# KiCad board panel.kicad_pcb
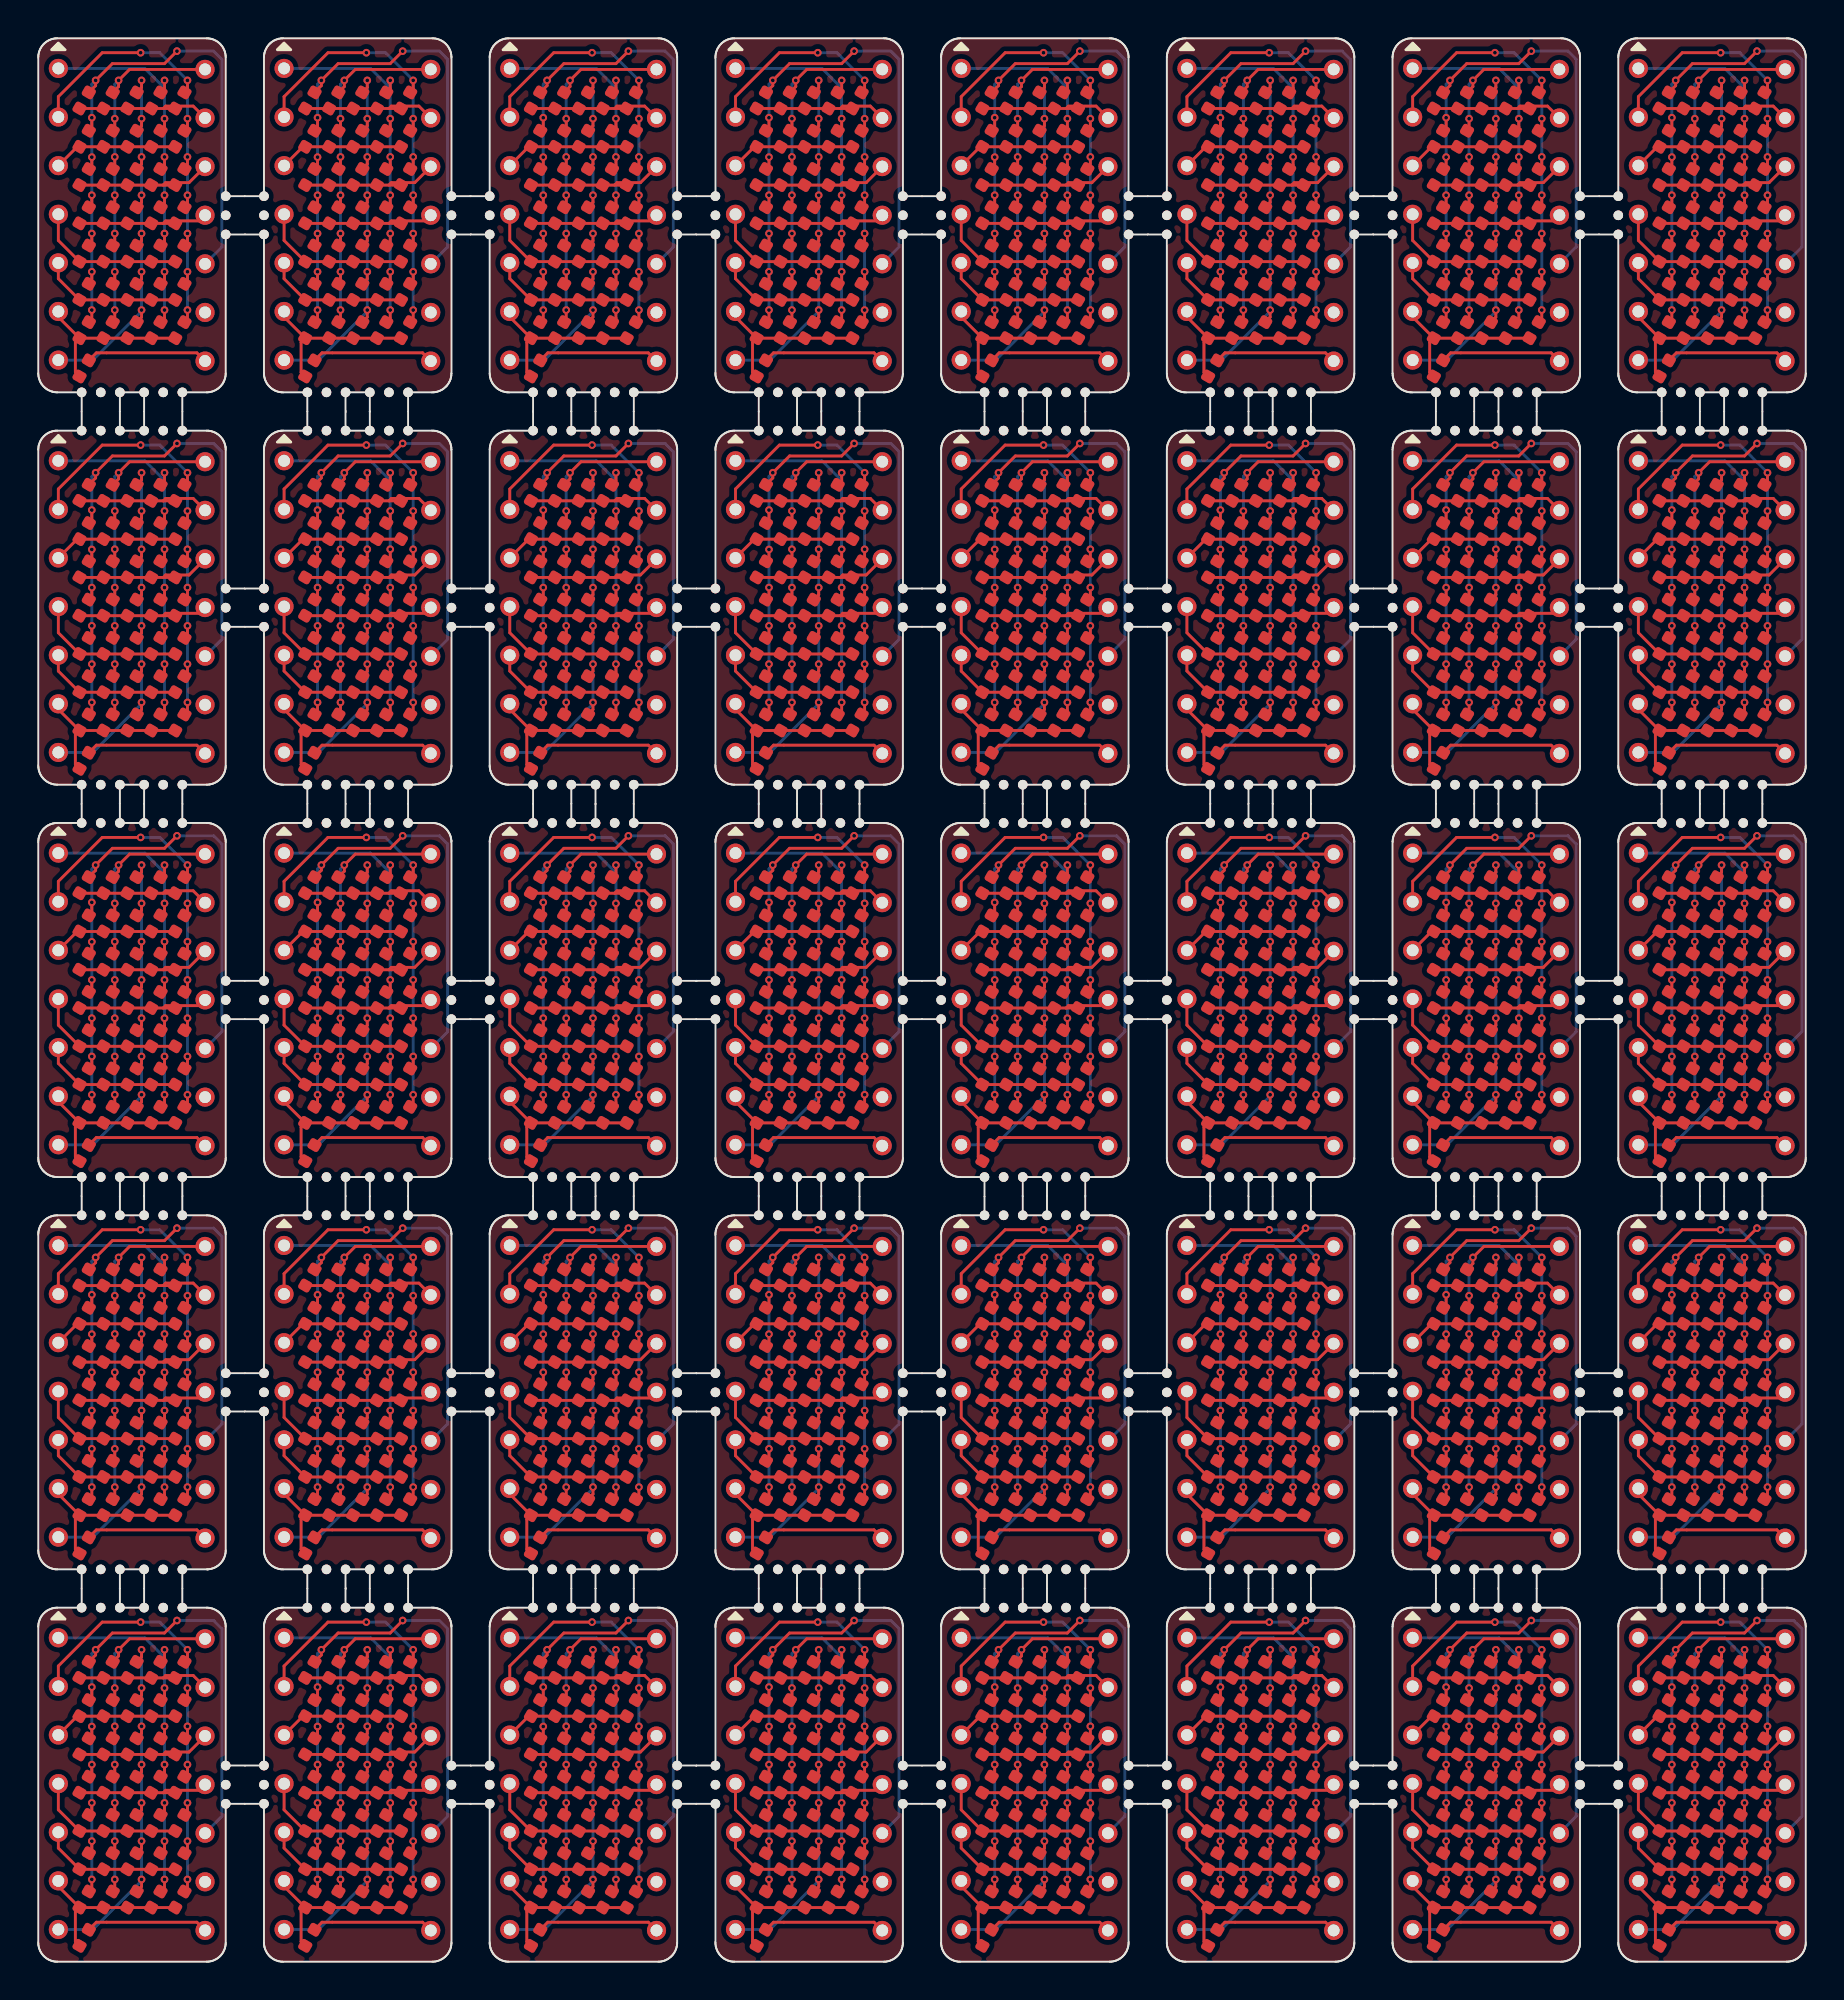
[diagram p0: board, top side]
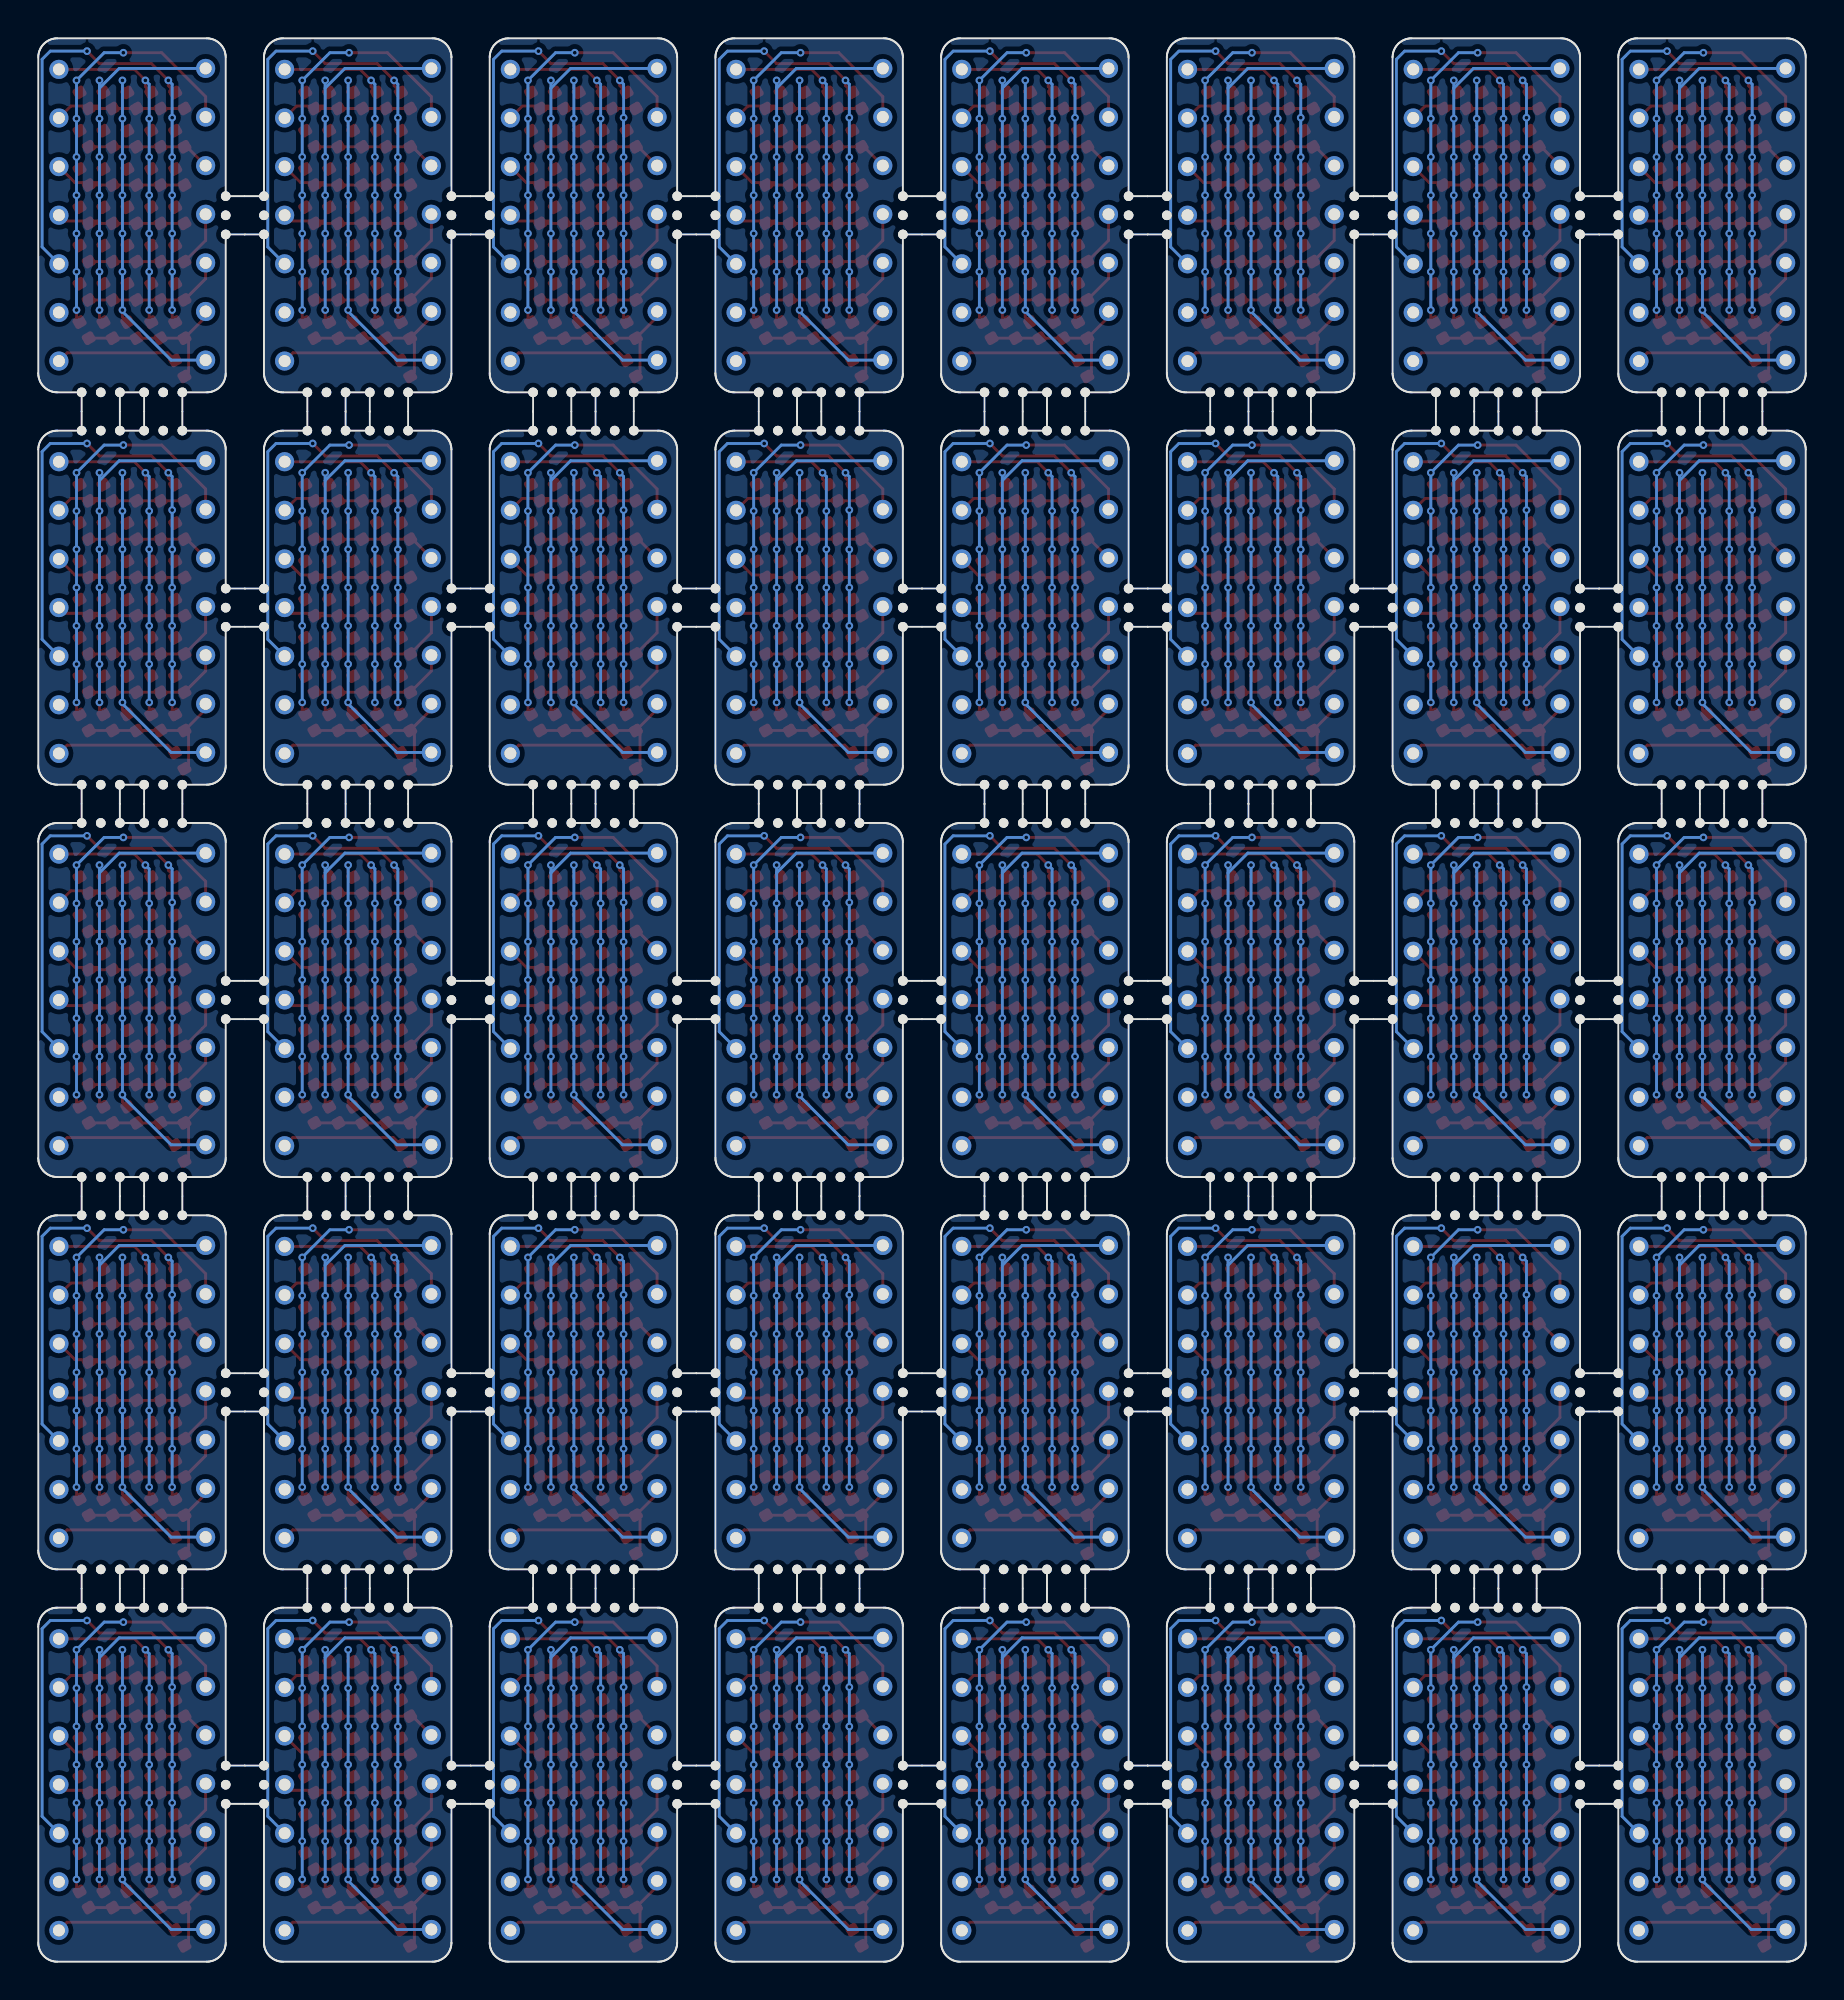
[diagram p1: board, bottom side, seen from below]

Outline 92.4 x 100.5 mm; copper layers: Top, Bottom. Coordinates in mm from the lower left corner of the outline.

## Placement (name value [footprint] x y rotation side)
D1  LED  [LED_0402_1005Metric]  49.6 76.75 60 top
D1#2  LED  [LED_0402_1005Metric]  61.4 15.25 60 top
D1#3  LED  [LED_0402_1005Metric]  14.2 15.25 60 top
D1#4  LED  [LED_0402_1005Metric]  26 97.25 60 top
D1#5  LED  [LED_0402_1005Metric]  26 35.75 60 top
D1#6  LED  [LED_0402_1005Metric]  2.4 56.25 60 top
D1#7  LED  [LED_0402_1005Metric]  61.4 56.25 60 top
D1#8  LED  [LED_0402_1005Metric]  26 56.25 60 top
D1#9  LED  [LED_0402_1005Metric]  61.4 76.75 60 top
D1#10  LED  [LED_0402_1005Metric]  49.6 97.25 60 top
D1#11  LED  [LED_0402_1005Metric]  2.4 35.75 60 top
D1#12  LED  [LED_0402_1005Metric]  73.2 97.25 60 top
D1#13  LED  [LED_0402_1005Metric]  14.2 35.75 60 top
D1#14  LED  [LED_0402_1005Metric]  61.4 97.25 60 top
D1#15  LED  [LED_0402_1005Metric]  37.8 97.25 60 top
D1#16  LED  [LED_0402_1005Metric]  14.2 56.25 60 top
D1#17  LED  [LED_0402_1005Metric]  85 97.25 60 top
D1#18  LED  [LED_0402_1005Metric]  85 35.75 60 top
D1#19  LED  [LED_0402_1005Metric]  85 15.25 60 top
D1#20  LED  [LED_0402_1005Metric]  37.8 15.25 60 top
D1#21  LED  [LED_0402_1005Metric]  37.8 35.75 60 top
D1#22  LED  [LED_0402_1005Metric]  73.2 35.75 60 top
D1#23  LED  [LED_0402_1005Metric]  2.4 97.25 60 top
D1#24  LED  [LED_0402_1005Metric]  49.6 35.75 60 top
D1#25  LED  [LED_0402_1005Metric]  73.2 15.25 60 top
D1#26  LED  [LED_0402_1005Metric]  61.4 35.75 60 top
D1#27  LED  [LED_0402_1005Metric]  37.8 56.25 60 top
D1#28  LED  [LED_0402_1005Metric]  26 15.25 60 top
D1#29  LED  [LED_0402_1005Metric]  85 76.75 60 top
D1#30  LED  [LED_0402_1005Metric]  2.4 76.75 60 top
D1#31  LED  [LED_0402_1005Metric]  26 76.75 60 top
D1#32  LED  [LED_0402_1005Metric]  14.2 76.75 60 top
D1#33  LED  [LED_0402_1005Metric]  73.2 56.25 60 top
D1#34  LED  [LED_0402_1005Metric]  49.6 15.25 60 top
D1#35  LED  [LED_0402_1005Metric]  14.2 97.25 60 top
D1#36  LED  [LED_0402_1005Metric]  73.2 76.75 60 top
D1#37  LED  [LED_0402_1005Metric]  2.4 15.25 60 top
D1#38  LED  [LED_0402_1005Metric]  49.6 56.25 60 top
D1#39  LED  [LED_0402_1005Metric]  85 56.25 60 top
D1#40  LED  [LED_0402_1005Metric]  37.8 76.75 60 top
D2  LED  [LED_0402_1005Metric]  2.4 33.75 60 top
D2#2  LED  [LED_0402_1005Metric]  37.8 54.25 60 top
D2#3  LED  [LED_0402_1005Metric]  2.4 74.75 60 top
D2#4  LED  [LED_0402_1005Metric]  49.6 33.75 60 top
D2#5  LED  [LED_0402_1005Metric]  73.2 54.25 60 top
D2#6  LED  [LED_0402_1005Metric]  37.8 74.75 60 top
D2#7  LED  [LED_0402_1005Metric]  85 54.25 60 top
D2#8  LED  [LED_0402_1005Metric]  14.2 33.75 60 top
D2#9  LED  [LED_0402_1005Metric]  26 54.25 60 top
D2#10  LED  [LED_0402_1005Metric]  85 13.25 60 top
D2#11  LED  [LED_0402_1005Metric]  37.8 13.25 60 top
D2#12  LED  [LED_0402_1005Metric]  2.4 13.25 60 top
D2#13  LED  [LED_0402_1005Metric]  61.4 33.75 60 top
D2#14  LED  [LED_0402_1005Metric]  73.2 33.75 60 top
D2#15  LED  [LED_0402_1005Metric]  14.2 13.25 60 top
D2#16  LED  [LED_0402_1005Metric]  49.6 13.25 60 top
D2#17  LED  [LED_0402_1005Metric]  14.2 74.75 60 top
D2#18  LED  [LED_0402_1005Metric]  26 95.25 60 top
D2#19  LED  [LED_0402_1005Metric]  61.4 95.25 60 top
D2#20  LED  [LED_0402_1005Metric]  14.2 95.25 60 top
D2#21  LED  [LED_0402_1005Metric]  85 74.75 60 top
D2#22  LED  [LED_0402_1005Metric]  2.4 54.25 60 top
D2#23  LED  [LED_0402_1005Metric]  73.2 13.25 60 top
D2#24  LED  [LED_0402_1005Metric]  61.4 13.25 60 top
D2#25  LED  [LED_0402_1005Metric]  49.6 54.25 60 top
D2#26  LED  [LED_0402_1005Metric]  2.4 95.25 60 top
D2#27  LED  [LED_0402_1005Metric]  61.4 54.25 60 top
D2#28  LED  [LED_0402_1005Metric]  85 33.75 60 top
D2#29  LED  [LED_0402_1005Metric]  49.6 74.75 60 top
D2#30  LED  [LED_0402_1005Metric]  73.2 74.75 60 top
D2#31  LED  [LED_0402_1005Metric]  26 13.25 60 top
D2#32  LED  [LED_0402_1005Metric]  49.6 95.25 60 top
D2#33  LED  [LED_0402_1005Metric]  26 33.75 60 top
D2#34  LED  [LED_0402_1005Metric]  61.4 74.75 60 top
D2#35  LED  [LED_0402_1005Metric]  37.8 95.25 60 top
D2#36  LED  [LED_0402_1005Metric]  14.2 54.25 60 top
D2#37  LED  [LED_0402_1005Metric]  37.8 33.75 60 top
D2#38  LED  [LED_0402_1005Metric]  73.2 95.25 60 top
D2#39  LED  [LED_0402_1005Metric]  85 95.25 60 top
D2#40  LED  [LED_0402_1005Metric]  26 74.75 60 top
D3  LED  [LED_0402_1005Metric]  73.2 93.25 60 top
D3#2  LED  [LED_0402_1005Metric]  26 93.25 60 top
D3#3  LED  [LED_0402_1005Metric]  26 31.75 60 top
D3#4  LED  [LED_0402_1005Metric]  73.2 11.25 60 top
D3#5  LED  [LED_0402_1005Metric]  61.4 31.75 60 top
D3#6  LED  [LED_0402_1005Metric]  37.8 52.25 60 top
D3#7  LED  [LED_0402_1005Metric]  26 52.25 60 top
D3#8  LED  [LED_0402_1005Metric]  37.8 93.25 60 top
D3#9  LED  [LED_0402_1005Metric]  2.4 52.25 60 top
D3#10  LED  [LED_0402_1005Metric]  49.6 31.75 60 top
D3#11  LED  [LED_0402_1005Metric]  85 31.75 60 top
D3#12  LED  [LED_0402_1005Metric]  61.4 72.75 60 top
D3#13  LED  [LED_0402_1005Metric]  85 11.25 60 top
D3#14  LED  [LED_0402_1005Metric]  37.8 31.75 60 top
D3#15  LED  [LED_0402_1005Metric]  2.4 72.75 60 top
D3#16  LED  [LED_0402_1005Metric]  85 72.75 60 top
D3#17  LED  [LED_0402_1005Metric]  61.4 93.25 60 top
D3#18  LED  [LED_0402_1005Metric]  49.6 93.25 60 top
D3#19  LED  [LED_0402_1005Metric]  37.8 72.75 60 top
D3#20  LED  [LED_0402_1005Metric]  14.2 31.75 60 top
D3#21  LED  [LED_0402_1005Metric]  49.6 52.25 60 top
D3#22  LED  [LED_0402_1005Metric]  26 72.75 60 top
D3#23  LED  [LED_0402_1005Metric]  61.4 52.25 60 top
D3#24  LED  [LED_0402_1005Metric]  26 11.25 60 top
D3#25  LED  [LED_0402_1005Metric]  49.6 72.75 60 top
D3#26  LED  [LED_0402_1005Metric]  2.4 93.25 60 top
D3#27  LED  [LED_0402_1005Metric]  73.2 72.75 60 top
D3#28  LED  [LED_0402_1005Metric]  73.2 52.25 60 top
D3#29  LED  [LED_0402_1005Metric]  14.2 93.25 60 top
D3#30  LED  [LED_0402_1005Metric]  2.4 11.25 60 top
D3#31  LED  [LED_0402_1005Metric]  14.2 52.25 60 top
D3#32  LED  [LED_0402_1005Metric]  61.4 11.25 60 top
D3#33  LED  [LED_0402_1005Metric]  73.2 31.75 60 top
D3#34  LED  [LED_0402_1005Metric]  14.2 11.25 60 top
D3#35  LED  [LED_0402_1005Metric]  37.8 11.25 60 top
D3#36  LED  [LED_0402_1005Metric]  2.4 31.75 60 top
D3#37  LED  [LED_0402_1005Metric]  85 52.25 60 top
D3#38  LED  [LED_0402_1005Metric]  85 93.25 60 top
D3#39  LED  [LED_0402_1005Metric]  49.6 11.25 60 top
D3#40  LED  [LED_0402_1005Metric]  14.2 72.75 60 top
D4  LED  [LED_0402_1005Metric]  14.2 9.25 60 top
D4#2  LED  [LED_0402_1005Metric]  49.6 9.25 60 top
D4#3  LED  [LED_0402_1005Metric]  2.4 70.75 60 top
D4#4  LED  [LED_0402_1005Metric]  49.6 29.75 60 top
D4#5  LED  [LED_0402_1005Metric]  73.2 91.25 60 top
D4#6  LED  [LED_0402_1005Metric]  2.4 91.25 60 top
D4#7  LED  [LED_0402_1005Metric]  73.2 9.25 60 top
D4#8  LED  [LED_0402_1005Metric]  2.4 9.25 60 top
D4#9  LED  [LED_0402_1005Metric]  37.8 50.25 60 top
D4#10  LED  [LED_0402_1005Metric]  49.6 91.25 60 top
D4#11  LED  [LED_0402_1005Metric]  2.4 50.25 60 top
D4#12  LED  [LED_0402_1005Metric]  26 50.25 60 top
D4#13  LED  [LED_0402_1005Metric]  14.2 91.25 60 top
D4#14  LED  [LED_0402_1005Metric]  85 70.75 60 top
D4#15  LED  [LED_0402_1005Metric]  14.2 50.25 60 top
D4#16  LED  [LED_0402_1005Metric]  73.2 29.75 60 top
D4#17  LED  [LED_0402_1005Metric]  73.2 70.75 60 top
D4#18  LED  [LED_0402_1005Metric]  85 9.25 60 top
D4#19  LED  [LED_0402_1005Metric]  37.8 29.75 60 top
D4#20  LED  [LED_0402_1005Metric]  2.4 29.75 60 top
D4#21  LED  [LED_0402_1005Metric]  85 29.75 60 top
D4#22  LED  [LED_0402_1005Metric]  37.8 70.75 60 top
D4#23  LED  [LED_0402_1005Metric]  37.8 91.25 60 top
D4#24  LED  [LED_0402_1005Metric]  14.2 70.75 60 top
D4#25  LED  [LED_0402_1005Metric]  85 50.25 60 top
D4#26  LED  [LED_0402_1005Metric]  61.4 29.75 60 top
D4#27  LED  [LED_0402_1005Metric]  61.4 91.25 60 top
D4#28  LED  [LED_0402_1005Metric]  14.2 29.75 60 top
D4#29  LED  [LED_0402_1005Metric]  61.4 9.25 60 top
D4#30  LED  [LED_0402_1005Metric]  73.2 50.25 60 top
D4#31  LED  [LED_0402_1005Metric]  37.8 9.25 60 top
D4#32  LED  [LED_0402_1005Metric]  26 70.75 60 top
D4#33  LED  [LED_0402_1005Metric]  26 9.25 60 top
D4#34  LED  [LED_0402_1005Metric]  85 91.25 60 top
D4#35  LED  [LED_0402_1005Metric]  49.6 50.25 60 top
D4#36  LED  [LED_0402_1005Metric]  61.4 50.25 60 top
D4#37  LED  [LED_0402_1005Metric]  26 29.75 60 top
D4#38  LED  [LED_0402_1005Metric]  61.4 70.75 60 top
D4#39  LED  [LED_0402_1005Metric]  49.6 70.75 60 top
D4#40  LED  [LED_0402_1005Metric]  26 91.25 60 top
D5  LED  [LED_0402_1005Metric]  49.6 68.75 60 top
D5#2  LED  [LED_0402_1005Metric]  14.2 68.75 60 top
D5#3  LED  [LED_0402_1005Metric]  14.2 89.25 60 top
D5#4  LED  [LED_0402_1005Metric]  73.2 27.75 60 top
D5#5  LED  [LED_0402_1005Metric]  2.4 7.25 60 top
D5#6  LED  [LED_0402_1005Metric]  73.2 7.25 60 top
D5#7  LED  [LED_0402_1005Metric]  49.6 7.25 60 top
D5#8  LED  [LED_0402_1005Metric]  37.8 48.25 60 top
D5#9  LED  [LED_0402_1005Metric]  37.8 7.25 60 top
D5#10  LED  [LED_0402_1005Metric]  2.4 48.25 60 top
D5#11  LED  [LED_0402_1005Metric]  26 89.25 60 top
D5#12  LED  [LED_0402_1005Metric]  2.4 68.75 60 top
D5#13  LED  [LED_0402_1005Metric]  73.2 48.25 60 top
D5#14  LED  [LED_0402_1005Metric]  61.4 27.75 60 top
D5#15  LED  [LED_0402_1005Metric]  37.8 89.25 60 top
D5#16  LED  [LED_0402_1005Metric]  26 68.75 60 top
D5#17  LED  [LED_0402_1005Metric]  2.4 89.25 60 top
D5#18  LED  [LED_0402_1005Metric]  61.4 89.25 60 top
D5#19  LED  [LED_0402_1005Metric]  49.6 89.25 60 top
D5#20  LED  [LED_0402_1005Metric]  26 48.25 60 top
D5#21  LED  [LED_0402_1005Metric]  73.2 89.25 60 top
D5#22  LED  [LED_0402_1005Metric]  49.6 27.75 60 top
D5#23  LED  [LED_0402_1005Metric]  73.2 68.75 60 top
D5#24  LED  [LED_0402_1005Metric]  85 48.25 60 top
D5#25  LED  [LED_0402_1005Metric]  85 68.75 60 top
D5#26  LED  [LED_0402_1005Metric]  85 89.25 60 top
D5#27  LED  [LED_0402_1005Metric]  26 27.75 60 top
D5#28  LED  [LED_0402_1005Metric]  61.4 48.25 60 top
D5#29  LED  [LED_0402_1005Metric]  14.2 27.75 60 top
D5#30  LED  [LED_0402_1005Metric]  85 7.25 60 top
D5#31  LED  [LED_0402_1005Metric]  37.8 27.75 60 top
D5#32  LED  [LED_0402_1005Metric]  2.4 27.75 60 top
D5#33  LED  [LED_0402_1005Metric]  61.4 68.75 60 top
D5#34  LED  [LED_0402_1005Metric]  37.8 68.75 60 top
D5#35  LED  [LED_0402_1005Metric]  61.4 7.25 60 top
D5#36  LED  [LED_0402_1005Metric]  49.6 48.25 60 top
D5#37  LED  [LED_0402_1005Metric]  26 7.25 60 top
D5#38  LED  [LED_0402_1005Metric]  85 27.75 60 top
D5#39  LED  [LED_0402_1005Metric]  14.2 7.25 60 top
D5#40  LED  [LED_0402_1005Metric]  14.2 48.25 60 top
D6  LED  [LED_0402_1005Metric]  73.2 46.25 60 top
D6#2  LED  [LED_0402_1005Metric]  2.4 5.25 60 top
D6#3  LED  [LED_0402_1005Metric]  73.2 5.25 60 top
D6#4  LED  [LED_0402_1005Metric]  85 25.75 60 top
D6#5  LED  [LED_0402_1005Metric]  85 5.25 60 top
D6#6  LED  [LED_0402_1005Metric]  14.2 66.75 60 top
D6#7  LED  [LED_0402_1005Metric]  49.6 5.25 60 top
D6#8  LED  [LED_0402_1005Metric]  49.6 25.75 60 top
D6#9  LED  [LED_0402_1005Metric]  49.6 87.25 60 top
D6#10  LED  [LED_0402_1005Metric]  2.4 25.75 60 top
D6#11  LED  [LED_0402_1005Metric]  37.8 25.75 60 top
D6#12  LED  [LED_0402_1005Metric]  37.8 87.25 60 top
D6#13  LED  [LED_0402_1005Metric]  26 66.75 60 top
D6#14  LED  [LED_0402_1005Metric]  2.4 66.75 60 top
D6#15  LED  [LED_0402_1005Metric]  61.4 5.25 60 top
D6#16  LED  [LED_0402_1005Metric]  26 46.25 60 top
D6#17  LED  [LED_0402_1005Metric]  61.4 66.75 60 top
D6#18  LED  [LED_0402_1005Metric]  37.8 5.25 60 top
D6#19  LED  [LED_0402_1005Metric]  61.4 25.75 60 top
D6#20  LED  [LED_0402_1005Metric]  26 5.25 60 top
D6#21  LED  [LED_0402_1005Metric]  85 87.25 60 top
D6#22  LED  [LED_0402_1005Metric]  61.4 87.25 60 top
D6#23  LED  [LED_0402_1005Metric]  26 25.75 60 top
D6#24  LED  [LED_0402_1005Metric]  61.4 46.25 60 top
D6#25  LED  [LED_0402_1005Metric]  73.2 66.75 60 top
D6#26  LED  [LED_0402_1005Metric]  26 87.25 60 top
D6#27  LED  [LED_0402_1005Metric]  85 46.25 60 top
D6#28  LED  [LED_0402_1005Metric]  37.8 66.75 60 top
D6#29  LED  [LED_0402_1005Metric]  14.2 5.25 60 top
D6#30  LED  [LED_0402_1005Metric]  2.4 87.25 60 top
D6#31  LED  [LED_0402_1005Metric]  73.2 87.25 60 top
D6#32  LED  [LED_0402_1005Metric]  85 66.75 60 top
D6#33  LED  [LED_0402_1005Metric]  49.6 46.25 60 top
D6#34  LED  [LED_0402_1005Metric]  2.4 46.25 60 top
D6#35  LED  [LED_0402_1005Metric]  14.2 25.75 60 top
D6#36  LED  [LED_0402_1005Metric]  49.6 66.75 60 top
D6#37  LED  [LED_0402_1005Metric]  73.2 25.75 60 top
D6#38  LED  [LED_0402_1005Metric]  14.2 87.25 60 top
D6#39  LED  [LED_0402_1005Metric]  14.2 46.25 60 top
D6#40  LED  [LED_0402_1005Metric]  37.8 46.25 60 top
D7  LED  [LED_0402_1005Metric]  14.2 3.25 60 top
D7#2  LED  [LED_0402_1005Metric]  14.2 44.25 60 top
D7#3  LED  [LED_0402_1005Metric]  37.8 85.25 60 top
D7#4  LED  [LED_0402_1005Metric]  37.8 3.25 60 top
D7#5  LED  [LED_0402_1005Metric]  26 3.25 60 top
D7#6  LED  [LED_0402_1005Metric]  61.4 85.25 60 top
D7#7  LED  [LED_0402_1005Metric]  73.2 44.25 60 top
D7#8  LED  [LED_0402_1005Metric]  61.4 23.75 60 top
D7#9  LED  [LED_0402_1005Metric]  49.6 23.75 60 top
D7#10  LED  [LED_0402_1005Metric]  85 64.75 60 top
D7#11  LED  [LED_0402_1005Metric]  61.4 64.75 60 top
D7#12  LED  [LED_0402_1005Metric]  85 3.25 60 top
D7#13  LED  [LED_0402_1005Metric]  14.2 85.25 60 top
D7#14  LED  [LED_0402_1005Metric]  2.4 85.25 60 top
D7#15  LED  [LED_0402_1005Metric]  73.2 3.25 60 top
D7#16  LED  [LED_0402_1005Metric]  85 23.75 60 top
D7#17  LED  [LED_0402_1005Metric]  49.6 85.25 60 top
D7#18  LED  [LED_0402_1005Metric]  26 64.75 60 top
D7#19  LED  [LED_0402_1005Metric]  26 23.75 60 top
D7#20  LED  [LED_0402_1005Metric]  73.2 85.25 60 top
D7#21  LED  [LED_0402_1005Metric]  14.2 64.75 60 top
D7#22  LED  [LED_0402_1005Metric]  49.6 64.75 60 top
D7#23  LED  [LED_0402_1005Metric]  2.4 44.25 60 top
D7#24  LED  [LED_0402_1005Metric]  37.8 44.25 60 top
D7#25  LED  [LED_0402_1005Metric]  49.6 3.25 60 top
D7#26  LED  [LED_0402_1005Metric]  37.8 23.75 60 top
D7#27  LED  [LED_0402_1005Metric]  49.6 44.25 60 top
D7#28  LED  [LED_0402_1005Metric]  2.4 3.25 60 top
D7#29  LED  [LED_0402_1005Metric]  26 85.25 60 top
D7#30  LED  [LED_0402_1005Metric]  85 85.25 60 top
D7#31  LED  [LED_0402_1005Metric]  37.8 64.75 60 top
D7#32  LED  [LED_0402_1005Metric]  2.4 64.75 60 top
D7#33  LED  [LED_0402_1005Metric]  14.2 23.75 60 top
D7#34  LED  [LED_0402_1005Metric]  26 44.25 60 top
D7#35  LED  [LED_0402_1005Metric]  85 44.25 60 top
D7#36  LED  [LED_0402_1005Metric]  73.2 23.75 60 top
D7#37  LED  [LED_0402_1005Metric]  61.4 3.25 60 top
D7#38  LED  [LED_0402_1005Metric]  73.2 64.75 60 top
D7#39  LED  [LED_0402_1005Metric]  2.4 23.75 60 top
D7#40  LED  [LED_0402_1005Metric]  61.4 44.25 60 top
D8  LED  [LED_0402_1005Metric]  73.2 1.25 60 top
D8#2  LED  [LED_0402_1005Metric]  85 83.25 60 top
D8#3  LED  [LED_0402_1005Metric]  37.8 83.25 60 top
D8#4  LED  [LED_0402_1005Metric]  14.2 42.25 60 top
D8#5  LED  [LED_0402_1005Metric]  2.4 83.25 60 top
D8#6  LED  [LED_0402_1005Metric]  49.6 62.75 60 top
D8#7  LED  [LED_0402_1005Metric]  26 21.75 60 top
D8#8  LED  [LED_0402_1005Metric]  61.4 83.25 60 top
D8#9  LED  [LED_0402_1005Metric]  61.4 42.25 60 top
D8#10  LED  [LED_0402_1005Metric]  2.4 21.75 60 top
D8#11  LED  [LED_0402_1005Metric]  26 1.25 60 top
D8#12  LED  [LED_0402_1005Metric]  73.2 42.25 60 top
D8#13  LED  [LED_0402_1005Metric]  14.2 83.25 60 top
D8#14  LED  [LED_0402_1005Metric]  49.6 42.25 60 top
D8#15  LED  [LED_0402_1005Metric]  14.2 62.75 60 top
D8#16  LED  [LED_0402_1005Metric]  85 21.75 60 top
D8#17  LED  [LED_0402_1005Metric]  26 83.25 60 top
D8#18  LED  [LED_0402_1005Metric]  2.4 1.25 60 top
D8#19  LED  [LED_0402_1005Metric]  73.2 62.75 60 top
D8#20  LED  [LED_0402_1005Metric]  61.4 62.75 60 top
D8#21  LED  [LED_0402_1005Metric]  85 62.75 60 top
D8#22  LED  [LED_0402_1005Metric]  26 62.75 60 top
D8#23  LED  [LED_0402_1005Metric]  37.8 42.25 60 top
D8#24  LED  [LED_0402_1005Metric]  85 42.25 60 top
D8#25  LED  [LED_0402_1005Metric]  73.2 21.75 60 top
D8#26  LED  [LED_0402_1005Metric]  14.2 21.75 60 top
D8#27  LED  [LED_0402_1005Metric]  14.2 1.25 60 top
D8#28  LED  [LED_0402_1005Metric]  85 1.25 60 top
D8#29  LED  [LED_0402_1005Metric]  49.6 1.25 60 top
D8#30  LED  [LED_0402_1005Metric]  37.8 62.75 60 top
D8#31  LED  [LED_0402_1005Metric]  2.4 62.75 60 top
D8#32  LED  [LED_0402_1005Metric]  37.8 1.25 60 top
D8#33  LED  [LED_0402_1005Metric]  26 42.25 60 top
D8#34  LED  [LED_0402_1005Metric]  2.4 42.25 60 top
D8#35  LED  [LED_0402_1005Metric]  37.8 21.75 60 top
D8#36  LED  [LED_0402_1005Metric]  49.6 21.75 60 top
D8#37  LED  [LED_0402_1005Metric]  73.2 83.25 60 top
D8#38  LED  [LED_0402_1005Metric]  61.4 21.75 60 top
D8#39  LED  [LED_0402_1005Metric]  49.6 83.25 60 top
D8#40  LED  [LED_0402_1005Metric]  61.4 1.25 60 top
D9  LED  [LED_0402_1005Metric]  62.65 97.25 60 top
D9#2  LED  [LED_0402_1005Metric]  27.25 15.25 60 top
D9#3  LED  [LED_0402_1005Metric]  15.45 97.25 60 top
D9#4  LED  [LED_0402_1005Metric]  50.85 56.25 60 top
D9#5  LED  [LED_0402_1005Metric]  86.25 56.25 60 top
D9#6  LED  [LED_0402_1005Metric]  39.05 76.75 60 top
D9#7  LED  [LED_0402_1005Metric]  74.45 35.75 60 top
D9#8  LED  [LED_0402_1005Metric]  50.85 76.75 60 top
D9#9  LED  [LED_0402_1005Metric]  39.05 15.25 60 top
D9#10  LED  [LED_0402_1005Metric]  27.25 56.25 60 top
D9#11  LED  [LED_0402_1005Metric]  39.05 56.25 60 top